# Altium PCB RaspberryPi_ComputeModule3.PcbDoc (continued)
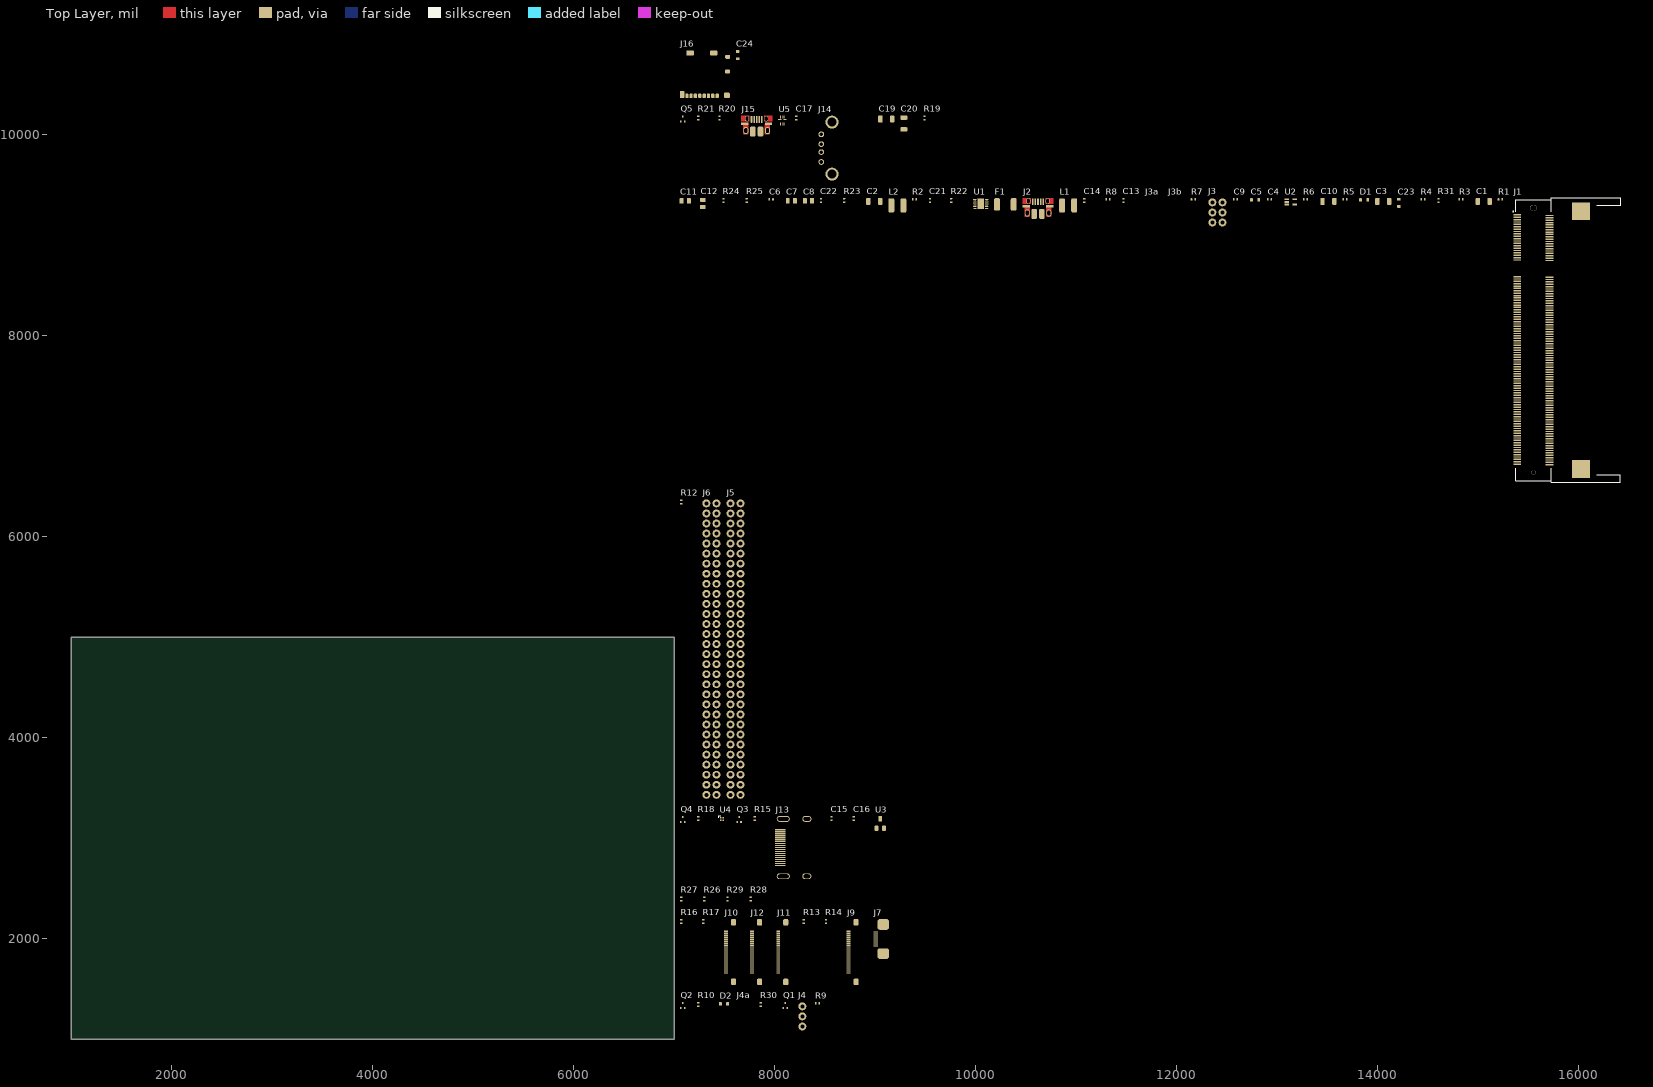
[diagram p0: Top Layer view]
## Part data (continued)
J5 J6: "Headers & Wire Housings 60 MODII HDR DRST B/A .100CL LF", Colour=Black, Contact Current Rating=3A, Flammability Rating="UL94 V-0", High Temperature Housing=Yes, Insulation Resistance=5GR, Manufacturer="TE Connectivity", Max Operating Temperature=105°C, Min Operating Temperature=-65°C, Package Quantity=50, Approvals=CSA, Board Standoff="Yes (With)", ComponentLink1Description=https://datasheet.ciiva.com/734/eng-cd-146256-g-146256-c-dwg-734694.pdf, ComponentLink1URL=https://datasheet.ciiva.com/734/eng-cd-146256-g-146256-c-dwg-734694.pdf, ComponentLink2Description=https://datasheet.ciiva.com/9491/eng-ds-1307819-ampmodu-0811-9491229.pdf, ComponentLink2URL=https://datasheet.ciiva.com/9491/eng-ds-1307819-ampmodu-0811-9491229.pdf, Connector Type=Plug,Pin,Header, Contact Gender=Male, Contact Material=Bronze, Contact Mating Length=0.23inch, Contact Plating=Nickel,Tin,Gold,Matte, Contact Protection="No (Without)", Contact Shape=Square, Depth=4.88mm, ELV=Compliant, Gasket="No (Without)", High Speed Serial Data Connector=No, Housing Colour=Black, Housing Material=Thermoplastic, Keyed=No, Length=75.79mm, Manufacturer Part Number=8-146256-0, Mating Alignment="No (Without)", Mating Connector Lock="No (Without)", Mating Post Length=0.23inch, Mount="Through Hole", Number of Contacts=60, Number of Positions=60, Number of Rows=2, Orientation=Straight, Packaging=Carton, PCB Mounting Orientation=Vertical, PCB Mount Retention=Without, PCB Thickness=0.062inch, Pitch=2.54mm, Pricing 1="1=7.66, 10=7.66, 50=6.28, 100=5.82, 1000=4.97, 10000=4.97 (USD)", Radiation Hardening=No, Row Spacing=2.54mm, Selectively Loaded="No (Without)", Stabilizers="No (Without)", Stock 1=114, Strain Relief="No (Without)", Supplier 1=Mouser, Termination="Through Hole", Termination Post Length=0.12inch
J7: library part 68710814522_N/A, "CONN FPC BOTTOM 8POS 0.50MM R/A", Current Rating=500mA, Flammability Rating="UL94 V-0", Insulation Resistance=100MR, Manufacturer="Wurth Electronics", Manufacturer Part Number=68710814522, Max Operating Temperature=85°C, Min Operating Temperature=-25°C, Package Quantity=2000, Voltage Rating=50V, Actuator Material="Polymer,Liquid Crystal Polymer", ComponentLink1Description=https://datasheet.ciiva.com/670/6871xx14522-670726.pdf, ComponentLink1URL=https://datasheet.ciiva.com/670/6871xx14522-670726.pdf, ComponentLink2Description=https://datasheet.ciiva.com/670/6871xx14522-670727.pdf, ComponentLink2URL=https://datasheet.ciiva.com/670/6871xx14522-670727.pdf, ComponentLink3Description=https://datasheet.ciiva.com/670/6871xx14522-670728.pdf, ComponentLink3URL=https://datasheet.ciiva.com/670/6871xx14522-670728.pdf, ComponentLink4Description=https://datasheet.ciiva.com/14153/6871xx14522-eng-datasheet-14153886.pdf, ComponentLink4URL=https://datasheet.ciiva.com/14153/6871xx14522-eng-datasheet-14153886.pdf, ComponentLink5Description=https://datasheet.ciiva.com/29318/709082-da-01-en-smd-zif-stecker-90grad-kontakte-unten-8-29318044.pdf, ComponentLink5URL=https://datasheet.ciiva.com/29318/709082-da-01-en-smd-zif-stecker-90grad-kontakte-unten-8-29318044.pdf, Contact Location=Bottom, Contact Material=Bronze,Tin, Contact Plating=Tin, Gender=Male, Housing Material="Liquid Crystal Polymer", Length=10.4mm, Mount="Surface Mount", Number of Contacts=8, Number of Positions=8, Number of Rows=1, Orientation=Straight, Packaging="Tape and Reel", Pitch=0.5mm, Pricing 1="1=1.02, 10=0.991, 50=0.923, 100=0.854, 1000=0.718, 10000=0.635 (USD)", REACH SVHC=Unknown, Stock 1=2190, Supplier 1=Mouser, Termination=SMD/SMT, Width=2.1mm
J9 J10 J11 J12: library part 0545482271, "Conn FFC/FPC Connector SKT 22 POS 0.5mm Solder RA SMD Easy-On™ T/R", Contact Resistance=40mR, Current Rating=500mA, Flammability Rating="UL94 V-0", Manufacturer=Molex, Max Operating Temperature=85°C, Min Operating Temperature=-20°C, Package Quantity=1, Voltage Rating=50V, Actuator Material=Polyphenylene, ComponentLink1Description=https://datasheet.ciiva.com/3926/187910545482271-ffc-fpc-nectors-3926715.pdf, ComponentLink1URL=https://datasheet.ciiva.com/3926/187910545482271-ffc-fpc-nectors-3926715.pdf, ComponentLink2Description=https://datasheet.ciiva.com/3112/0545482271-ffc-fpc-connectors-3112285.pdf, ComponentLink2URL=https://datasheet.ciiva.com/3112/0545482271-ffc-fpc-connectors-3112285.pdf, ComponentLink3Description=https://datasheet.ciiva.com/6944/545482671-sd-6944776.pdf, ComponentLink3URL=https://datasheet.ciiva.com/6944/545482671-sd-6944776.pdf, ComponentLink4Description=https://datasheet.ciiva.com/6944/545482671-sd-6944780.pdf, ComponentLink4URL=https://datasheet.ciiva.com/6944/545482671-sd-6944780.pdf, Contact Material=Bronze, Contact Plating=Nickel,Gold, Depth=5mm, Housing Material=Polymer, Length=16.2mm, Manufacturer Part Number=0545482271, Mount="Surface Mount", Number of Contacts=22, Number of Positions=22, Number of Rows=1, Orientation="Right Angle", Packaging="Tape and Reel", Pitch=0.5mm, Pricing 1="1=2.25, 10=1.98, 50=1.98, 100=1.8, 1000=1.31, 10000=1.17 (USD)", Stock 1=2798, Supplier 1=Mouser, Termination=Solder, Wire/Cable Type=Straight
J13: "HDMI, Displayport & DVI Connectors 1.0 HDMI RIGHT ANGLE NGLE HEADER ASSEMBLY", Colour=Black, Current Rating=500mA, Manufacturer=Molex, Package Quantity=1050, Voltage Rating (DC)=40V, Body Material=Thermoplastic, ComponentLink1Description=https://datasheet.ciiva.com/5053/0471511051-io-connectors-170027-5053366.pdf, ComponentLink1URL=https://datasheet.ciiva.com/5053/0471511051-io-connectors-170027-5053366.pdf, Contact Material="Copper Alloy", Contact Plating=Gold, Gender=Female, Halogen Free="Low Halogen", Manufacturer Part Number=47151-1051, Number of Circuits=19, Number of Positions=19, Number of Rows=2, Orientation="Right Angle", Packaging="Tape and Reel", Pricing 1="1=1.48, 10=1.39, 50=1.27, 100=1.15, 1000=0.904, 10000=0.802 (USD)", REACH SVHC="No SVHC", Stock 1=773, Supplier 1=Mouser, Termination=SMD/SMT
J14: "USB - A USB 2.0 Receptacle Connector 4 Position Through Hole, Right Angle, Horizontal", Colour=White, Current Rating=1A, Flammability Rating="UL94 V-0", Insulation Resistance=1GR, Manufacturer="Wurth Electronics", Max Operating Temperature=105°C, Min Operating Temperature=-40°C, Package Quantity=60, Voltage Rating=30V, ComponentLink1Description=https://datasheet.ciiva.com/851/61400416021-851760.pdf, ComponentLink1URL=https://datasheet.ciiva.com/851/61400416021-851760.pdf, ComponentLink2Description=https://datasheet.ciiva.com/1098/1712150-1098928.pdf, ComponentLink2URL=https://datasheet.ciiva.com/1098/1712150-1098928.pdf, ComponentLink3Description=https://datasheet.ciiva.com/4598/61400416021-63715-4598787.pdf, ComponentLink3URL=https://datasheet.ciiva.com/4598/61400416021-63715-4598787.pdf, ComponentLink4Description=https://datasheet.ciiva.com/11731/0900766b81023ab4-11731304.pdf, ComponentLink4URL=https://datasheet.ciiva.com/11731/0900766b81023ab4-11731304.pdf, ComponentLink5Description=https://datasheet.ciiva.com/1100/76585-1100559.pdf, ComponentLink5URL=https://datasheet.ciiva.com/1100/76585-1100559.pdf, ComponentLink6Description=https://datasheet.ciiva.com/14103/4257096-eng-datasheet-14103431.pdf, ComponentLink6URL=https://datasheet.ciiva.com/14103/4257096-eng-datasheet-14103431.pdf, ComponentLink7Description=https://datasheet.ciiva.com/48712/001088207-da-01-en-wr-com-usb-typ-a-61400416021-48712661.pdf, ComponentLink7URL=https://datasheet.ciiva.com/48712/001088207-da-01-en-wr-com-usb-typ-a-61400416021-48712661.pdf, Connector Type=USB,Socket, Contact Material="Copper Alloy", Contact Plating=Gold, Gender=Receptacle, Lead Free="Lead Free", Length=15.8mm, Manufacturer Part Number=61400416021, Mount="Through Hole,Horizontal", Number of Contacts=4, Number of Ports=1, Number of Positions=4, Orientation="Right Angle", Packaging=Tray, Pricing 1="1=0.99, 10=0.874, 50=0.823, 100=0.739, 1000=0.672, 10000=0.672 (USD)", REACH SVHC=Unknown, Stock 1=1100, Supplier 1=Mouser, Termination=Solder, USB Standard="USB 2.0", Width=14.4mm
J16: "CONN MICRO SD CARD PUSH-PULL R/A", Current Rating=500mA, Manufacturer=Molex, Max Operating Temperature=85°C, Min Operating Temperature=-25°C, Package Quantity=1, Voltage Rating (AC)=10V, ComponentLink1Description=https://datasheet.ciiva.com/4581/1040310811-memory-card-socket-153593-4581012.pdf, ComponentLink1URL=https://datasheet.ciiva.com/4581/1040310811-memory-card-socket-153593-4581012.pdf, ComponentLink2Description=https://datasheet.ciiva.com/683/1040310811-sd-683579.pdf, ComponentLink2URL=https://datasheet.ciiva.com/683/1040310811-sd-683579.pdf, ComponentLink3Description=https://datasheet.ciiva.com/16655/1040310811-memory-card-socket-16655292.pdf, ComponentLink3URL=https://datasheet.ciiva.com/16655/1040310811-memory-card-socket-16655292.pdf, ComponentLink4Description=https://datasheet.ciiva.com/15174/getdatasheetpartid-716154-15174887.pdf, ComponentLink4URL=https://datasheet.ciiva.com/15174/getdatasheetpartid-716154-15174887.pdf, ComponentLink5Description=https://datasheet.ciiva.com/683/1040310811-sd-683580.pdf, ComponentLink5URL=https://datasheet.ciiva.com/683/1040310811-sd-683580.pdf, ComponentLink6Description=https://datasheet.ciiva.com/683/1040310811-sd-683581.pdf, ComponentLink6URL=https://datasheet.ciiva.com/683/1040310811-sd-683581.pdf, ComponentLink7Description=https://datasheet.ciiva.com/3121/1040310811-memory-card-socket-3121437.pdf, ComponentLink7URL=https://datasheet.ciiva.com/3121/1040310811-memory-card-socket-3121437.pdf, ComponentLink8Description=https://datasheet.ciiva.com/16496/1040310811-memory-card-socket-16496702.pdf, ComponentLink8URL=https://datasheet.ciiva.com/16496/1040310811-memory-card-socket-16496702.pdf, Connector Type=Connector, Contact Material=Bronze, Contact Plating=Nickel,Gold, Depth=11.4mm, Gender=Female, Halogen Free="Low Halogen", Height=1.42mm, Housing Material=Polymer, Length=11.14mm, Manufacturer Part Number=104031-0811, Mating Cycles=10000, Mount="Surface Mount,Standard", Number of Circuits=8, Number of Contacts=8, Number of Rows=1, Orientation="Right Angle", Packaging="Tape and Reel", Pitch=1.1mm, Pricing 1="1=1.75, 10=1.59, 50=1.59, 100=1.36, 1000=0.97, 10000=0.86 (USD)", Radiation Hardening=No, REACH SVHC=Unknown, Stock 1=13417, Supplier 1=Mouser, Termination=Solder, Width=11.4mm
L1 L2: library part SRN4018-4R7M, "FIXED IND 4.7UH 1.9A 84 MOHM SMD", Case/Package=Nonstandard, Current Rating=1.9A, DC Resistance (DCR)=84mR, Inductance=4.7uh, Inductance Tolerance=20%, Manufacturer=Bourns, Max Operating Temperature=120°C, Min Operating Temperature=-25°C, Package Quantity=3000, Saturation Current=2A, Self Resonant Frequency=35MHz, Test Frequency=100kHz, ComponentLink1Description=https://datasheet.ciiva.com/6700/srn4018-6700960.pdf, ComponentLink1URL=https://datasheet.ciiva.com/6700/srn4018-6700960.pdf, ComponentLink2Description=https://datasheet.ciiva.com/22717/1684089-22717774.pdf, ComponentLink2URL=https://datasheet.ciiva.com/22717/1684089-22717774.pdf, ComponentLink3Description=https://datasheet.ciiva.com/46395/1684089-46395167.pdf, ComponentLink3URL=https://datasheet.ciiva.com/46395/1684089-46395167.pdf, Composition=Wirewound, Core Material=Ferrite, DC Current=1.9A, Depth=4.2mm, Height=1.8mm, Height - Seated (Max)=0.071inch, Length=4mm, Manufacturer Part Number=SRN4018-4R7M, Material=Steel, Max DC Current=1.9A, Military Standard=Not, Mount="Surface Mount", Number of Pins=2, Packaging="Cut Tape", Pricing 1="1=0.36, 10=0.246, 50=0.246, 100=0.224, 1000=0.152, 10000=0.131 (USD)", Radiation Hardening=No, REACH SVHC="No SVHC", RMS Current (Irms)=1.9A, Shielding=Shielded, Stock 1=1984, Supplier 1=Mouser, Termination=SMD/SMT, Tolerance=20%, Width=4mm
Q1 Q2 Q3 Q4 Q5: "MOSFET NCH 20V 630MA SOT523", Case/Package=SOT-523, Continuous Drain Current (ID)=630mA, Drain to Source Voltage (Vdss)=20V, Input Capacitance=60.67pF, Manufacturer=Diodes, Max Operating Temperature=150°C, Max Power Dissipation=280mW, Min Operating Temperature=-55°C, ComponentLink1Description=http://www.mouser.com/ds/2/115/ds31783-892575.pdf, ComponentLink1URL=http://www.mouser.com/ds/2/115/ds31783-892575.pdf, ComponentLink2Description=https://www.diodes.com/assets/Datasheets/ds31783.pdf, ComponentLink2URL=https://www.diodes.com/assets/Datasheets/ds31783.pdf, Manufacturer Part Number=DMG1012TQ-7, Mount="Surface Mount", Number of Pins=3, Packaging="Tape and Reel", Pricing 1="1=0.34, 10=0.225, 50=0.225, 100=0.094, 1000=0.064, 10000=0.043 (USD)", Rds On Max=400mR, Stock 1=11314, Supplier 1=Mouser
R1 R4 R5 R6 R7 R8 R19 R31: library part AC0805FR-070RL, "Thick Film Resistors - SMD 1/8W 0.0ohm 1%", Case/Package=0805, Case Code (Metric)=2012, Manufacturer=Yageo, Max Operating Temperature=155°C, Min Operating Temperature=-55°C, Power Rating=125mW, Resistance=0mR, Temperature Coefficient=200ppm/°C, Tolerance=1%, Voltage Rating=150V, Case Code (Imperial)=0805, ComponentLink1Description=https://datasheet.ciiva.com/12656/pyu-ac-51-rohs-l-2-12656890.pdf, ComponentLink1URL=https://datasheet.ciiva.com/12656/pyu-ac-51-rohs-l-2-12656890.pdf, Lead Free="Lead Free", Manufacturer Part Number=AC0805FR-070RL, Mount="Surface Mount", Packaging="Tape and Reel", Pricing 1="1=0.16, 10=0.036, 50=0.036, 100=0.012, 1000=0.009, 10000=0.004 (USD)", Stock 1=1027, Supplier 1=Mouser, Termination=SMD/SMT
R2 R10 R18 R26 R27 R28 R29: library part SG73P1ETTP1003F, "Thick Film Resistors - SMD 0.125W 100Kohm 1% 200ppm", Case/Package=0402, Case Code (Metric)=1005, Manufacturer="KOA Speer", Max Operating Temperature=155°C, Min Operating Temperature=-55°C, Power Rating=125mW, Resistance=100kR, Temperature Coefficient=200ppm/°C, Tolerance=1%, Voltage Rating=200V, Voltage Rating (DC)=50V, Case Code (Imperial)=0402, ComponentLink1Description=https://datasheet.ciiva.com/5567/sg73-5567782.pdf, ComponentLink1URL=https://datasheet.ciiva.com/5567/sg73-5567782.pdf, Manufacturer Part Number=SG73P1ETTP1003F, Packaging="Tape and Reel", Pricing 1="1=0.24, 10=0.24, 50=0.053, 100=0.041, 1000=0.03, 10000=0.018 (USD)", Stock 1=17094, Supplier 1=Mouser, Termination=SMD/SMT
R3 R9: library part MCS04020C4700FE000, "RES SMD 470 OHM 1% 1/10W 0402", Case/Package=0402, Manufacturer="Vishay BCcomponents", Max Operating Temperature=125°C, Max Power Dissipation=100mW, Min Operating Temperature=-55°C, Package Quantity=10000, Temperature Coefficient=50ppm/°C, Tolerance=1%, ComponentLink1Description=https://datasheet.ciiva.com/16892/mc-pro-16892843.pdf, ComponentLink1URL=https://datasheet.ciiva.com/16892/mc-pro-16892843.pdf, ComponentLink2Description=https://datasheet.ciiva.com/2569/mc-pro-2569740.pdf, ComponentLink2URL=https://datasheet.ciiva.com/2569/mc-pro-2569740.pdf, ComponentLink3Description=https://datasheet.ciiva.com/8901/mc-pro-8901326.pdf, ComponentLink3URL=https://datasheet.ciiva.com/8901/mc-pro-8901326.pdf, Composition="Thin Film", Contact Plating=Tin, Depth=0.5mm, Height=0.015inch, Lead Free="Lead Free", Length=0.039inch, Manufacturer Part Number=MCS04020C4700FE000, Military Standard=Not, Number of Terminations=2, Packaging="Tape and Reel", Pricing 1="1=0.3, 10=0.254, 100=0.0993, 1000=0.04158, 2500=0.03812, 5000=0.03465 (USD)", Radiation Hardening=No, Resistance=470R, Stock 1=98990, Supplier 1=Digi-Key, Width=0.02inch
R12: library part RK73H1FTTBL1001F, "Thick Film Resistors - SMD 1/3W 1K OHM 1%", Case Code - in=01005, Case Code - mm=0402, Manufacturer="KOA Speer", Maximum Operating Temperature="+ 125 C", Minimum Operating Temperature="- 55 C", Operating Temperature Range="- 55 C to + 125 C", Package / Case="01005 (0402 metric)", Power Rating="30 mW", Resistance="1 kOhms", Temperature Coefficient="250 PPM / C", Tolerance="1 %", Voltage Rating="15 V", Brand="KOA Speer", Category="Thick Film Resistors - SMD", ComponentLink1Description=http://www.mouser.com/ds/2/219/RK73H-5715.pdf, ComponentLink1URL=http://www.mouser.com/ds/2/219/RK73H-5715.pdf, Height="0.13 mm", Length="0.4 mm", Manufacturer Part Number=RK73H1FTTBL1001F, Minimum Order Quantity=1, Packaging="Cut Tape", Pricing 1="1=0.641, 10=0.346, 100=0.196, 1000=0.130, 20000=0.123, 40000=0.101 (USD)", Product="Thick Film Resistors SMD", Qualification=AEC-Q200, Reeling=True, RoHS="RoHS Compliant By Exemption", RoHS - Mouser=E, Series=RK73H, Standard Pack Qty=20000, Stock 1=6349, Supplier 1=Mouser, Termination Style=SMD/SMT, Type="Precision Resistor", Width="0.2 mm"
R13 R14 R16 R17: library part RK73H1ETTP1801F, "Thick Film Resistors - SMD 1.8K OHM 1%", Case/Package=0402, Case Code (Metric)=1005, Manufacturer="KOA Speer", Max Operating Temperature=155°C, Min Operating Temperature=-55°C, Package Quantity=10000, Power Rating=63mW, Resistance=1.8kR, Temperature Coefficient=100ppm/°C, Tolerance=1%, Voltage Rating=50V, Case Code (Imperial)=0402, ComponentLink1Description=https://datasheet.ciiva.com/5553/rk73h-5715-5553193.pdf, ComponentLink1URL=https://datasheet.ciiva.com/5553/rk73h-5715-5553193.pdf, Composition="Thick Film", Depth=0.5mm, Height=0.35mm, Lead Free="Lead Free", Length=1mm, Manufacturer Part Number=RK73H1ETTP1801F, Military Standard=Not, Packaging="Tape and Reel", Pricing 1="1=0.11, 10=0.027, 50=0.027, 100=0.007, 1000=0.005, 10000=0.004 (USD)", Stock 1=3595, Supplier 1=Mouser, Termination=SMD/SMT, Width=0.5mm
R15 R24 R25: library part Resistor_N/A
R20 R21 R30: library part MCS04020C4702FE000, "Res Thin Film 0402 47K Ohm 1% 1/16W ±50ppm/C Molded SMD Paper T/R", Case/Package=0402, Case Code (Metric)=1005, Manufacturer="Vishay BCcomponents", Max Operating Temperature=125°C, Min Operating Temperature=-55°C, Power Rating=100mW, Resistance=47kR, Temperature Coefficient=50ppm/°C, Tolerance=1%, Voltage Rating=50V, Case Code (Imperial)=0402, ComponentLink1Description=https://datasheet.ciiva.com/17178/mc-pro-17178488.pdf, ComponentLink1URL=https://datasheet.ciiva.com/17178/mc-pro-17178488.pdf, ComponentLink2Description=https://datasheet.ciiva.com/8900/mc-pro-8900138.pdf, ComponentLink2URL=https://datasheet.ciiva.com/8900/mc-pro-8900138.pdf, Composition="Thin Film", Contact Plating=Tin, Depth=0.5mm, Lead Free="Lead Free", Length=1mm, Manufacturer Part Number=MCS04020C4702FE000, Military Standard=Not, Packaging="Tape and Reel", Pricing 1="1=0.11, 10=0.11, 50=0.076, 100=0.065, 1000=0.054, 10000=0.04 (USD)", Radiation Hardening=No, REACH SVHC="No SVHC", Stock 1=7724, Supplier 1=Mouser, Voltage Rating (DC)=50V, Width=500um
R22 R23: library part MCS04020Z0000ZE000, "Res Thin Film 0402 0 Ohm Molded SMD Automotive Medical Paper T/R", Case/Package=0402, Case Code (Metric)=1005, Manufacturer="Vishay Beyschlag", Max Operating Temperature=125°C, Max Power Dissipation=100mW, Min Operating Temperature=-55°C, Package Quantity=1, Resistance=0mR, Voltage Rating=50V, Case Code (Imperial)=0402, ComponentLink1Description=https://datasheet.ciiva.com/2472/mc-pro-2472006.pdf, ComponentLink1URL=https://datasheet.ciiva.com/2472/mc-pro-2472006.pdf, ComponentLink2Description=https://datasheet.ciiva.com/8901/mc-pro-8901830.pdf, ComponentLink2URL=https://datasheet.ciiva.com/8901/mc-pro-8901830.pdf, ComponentLink3Description=https://datasheet.ciiva.com/2472/mc-pro-2472007.pdf, ComponentLink3URL=https://datasheet.ciiva.com/2472/mc-pro-2472007.pdf, ComponentLink4Description=https://datasheet.ciiva.com/2472/mc-pro-2472008.pdf, ComponentLink4URL=https://datasheet.ciiva.com/2472/mc-pro-2472008.pdf, Composition="Thin Film", Contact Plating=Nickel,Tin, Depth=0.5mm, Height=0.015inch, Lead Free="Lead Free", Length=1mm, Manufacturer Part Number=MCS04020Z0000ZE000, Military Standard=Not, Mount="Surface Mount", Number of Terminations=2, Packaging="Tape and Reel", Power Rating=100mW, Pricing 1="1=0.31, 10=0.266, 25=0.1936, 50=0.1404, 100=0.1041, 250=0.07988, 500=0.06292, 1000=0.04356, 5000=0.0363 (USD)", Radiation Hardening=No, REACH SVHC="No SVHC", Stock 1=192140, Supplier 1=Digi-Key, Termination=Wraparound, Voltage Rating (DC)=50V, Width=0.02inch
U1: "Conv DC-DC Dual Step Down 2.5V 5.5V 12-Pin WDFN T/R", Manufacturer=Diodes, Max Input Voltage=5.5V, Max Operating Temperature=85°C, Max Output Current=1A, Min Input Voltage=2.5V, Min Operating Temperature=-40°C, Min Output Voltage=3.3V, Operating Supply Current=40uA, Package Quantity=3000, Switching Frequency=1.5MHz, ComponentLink1Description=http://www.diodes.com/datasheets/PAM2306.pdf, ComponentLink1URL=http://www.diodes.com/datasheets/PAM2306.pdf, ComponentLink2Description=http://www.mouser.com/ds/2/115/PAM2306-336770.pdf, ComponentLink2URL=http://www.mouser.com/ds/2/115/PAM2306-336770.pdf, ComponentLink3Description=https://www.diodes.com/assets/Datasheets/PAM2306.pdf, ComponentLink3URL=https://www.diodes.com/assets/Datasheets/PAM2306.pdf, Efficiency=96%, Lead Free="Lead Free", Manufacturer Part Number=PAM2306AYPKE, Min Supply Voltage=2.5V, Mount="Surface Mount", Number of Outputs=2, Number of Pins=12, Operating Supply Voltage=5.5V, Output Current=1A, Output Voltage=3.3V, Packaging="Tape and Reel", Pricing 1="1=0.71, 10=0.589, 50=0.589, 100=0.38, 1000=0.304, 10000=0.248 (USD)", Radiation Hardening=No, Stock 1=11874, Supplier 1=Mouser, Synchronous Rectifier=Yes
U2: library part AP7115-25SEG-7, "IC REG LDO 2.5V 0.15A SOT353", Case/Package=SOT-353-5, Dropout Voltage=200mV, Input Bias Current=80uA, Manufacturer=Diodes, Max Input Voltage=5.5V, Max Operating Temperature=85°C, Max Output Current=150mA, Max Power Dissipation=500mW, Min Current Limit=200mA, Min Input Voltage=2.5V, Min Operating Temperature=-40°C, Package Quantity=1, Power Supply Rejection Ratio (PSRR)=70dB, Accuracy=2%, ComponentLink1Description=https://datasheet.ciiva.com/2039/ap7115-2039392.pdf, ComponentLink1URL=https://datasheet.ciiva.com/2039/ap7115-2039392.pdf, ComponentLink2Description=https://datasheet.ciiva.com/26949/getdatasheetpartid-671041-26949332.pdf, ComponentLink2URL=https://datasheet.ciiva.com/26949/getdatasheetpartid-671041-26949332.pdf, ComponentLink3Description=https://datasheet.ciiva.com/17365/ap7115-17365815.pdf, ComponentLink3URL=https://datasheet.ciiva.com/17365/ap7115-17365815.pdf, Contact Plating=Tin,Matte, Height=1.1mm, Length=3mm, Manufacturer Part Number=AP7115-25SEG-7, Mount="Surface Mount", Number of Outputs=1, Number of Pins=5, Number of Regulators=1, Output Current=150mA, Output Voltage=2.5V, Packaging="Tape and Reel", Polarity=Positive, Power Rating=500mW, Pricing 1="1=0.38, 10=0.288, 50=0.288, 100=0.156, 1000=0.117, 10000=0.095 (USD)", Quiescent Current=80uA, Stock 1=5001, Supplier 1=Mouser, Width=1.6mm
U3: "LOAD SWITCH SC59", Case/Package=TO-236-3, Current=200mA, Manufacturer=Diodes, Max Operating Temperature=85°C, Max Supply Voltage=5.2V, Min Operating Temperature=-40°C, Min Supply Voltage=2.7V, On-State Resistance=350mR, Package Quantity=3000, ComponentLink1Description=https://datasheet.ciiva.com/18567/ap2331-18567928.pdf, ComponentLink1URL=https://datasheet.ciiva.com/18567/ap2331-18567928.pdf, ComponentLink2Description=https://datasheet.ciiva.com/18567/ap2331-18567929.pdf, ComponentLink2URL=https://datasheet.ciiva.com/18567/ap2331-18567929.pdf, ComponentLink3Description=https://datasheet.ciiva.com/18567/ap2331-18567930.pdf, ComponentLink3URL=https://datasheet.ciiva.com/18567/ap2331-18567930.pdf, Fault Protection="Over Temperature,Reverse Current", Height=1.3mm, Interface=On/Off, Length=3.1mm, Manufacturer Part Number=AP2331W-7, Max Output Current=200mA, Mount="Surface Mount", Number of Outputs=1, Number of Pins=59, Output Current=200mA, Packaging="Tape and Reel", Pricing 1="1=0.51, 10=0.388, 50=0.388, 100=0.21, 1000=0.158, 10000=0.127 (USD)", Radiation Hardening=No, REACH SVHC="No SVHC", Stock 1=6726, Supplier 1=Mouser, Turn-On Delay Time=700us, Voltage=5.2V, Width=1.7mm
U4: "TVS DIODE 3VWM 9WLCSP", Capacitance=29pF, Manufacturer="ON Semiconductor", Max Operating Temperature=85°C, Max Reverse Leakage Current=200nA, Min Breakdown Voltage=6V, Min Operating Temperature=-30°C, Package Quantity=5000, Power Line Protection=No, Reverse Standoff Voltage=3V, ComponentLink1Description=https://datasheet.ciiva.com/11195/esd5384-d-11195286.pdf, ComponentLink1URL=https://datasheet.ciiva.com/11195/esd5384-d-11195286.pdf, ComponentLink2Description=https://datasheet.ciiva.com/12545/esd5384-d-119513-12545067.pdf, ComponentLink2URL=https://datasheet.ciiva.com/12545/esd5384-d-119513-12545067.pdf, ComponentLink3Description=https://datasheet.ciiva.com/354/esd5384-d-354168.pdf, ComponentLink3URL=https://datasheet.ciiva.com/354/esd5384-d-354168.pdf, Depth=1.14mm, Direction=Unidirectional, ESD Protection=Yes, Halogen Free="Halogen Free", Height=0.63mm, Lead Free="Lead Free", Length=1.14mm, Manufacturer Part Number=ESD5384NCTBG, Number of Lines=5, Number of Pins=9, Number of Unidirectional Channels=5, Packaging="Tape and Reel", Pricing 1="1=0.44, 10=0.362, 50=0.362, 100=0.221, 1000=0.171, 10000=0.136 (USD)", Radiation Hardening=No, Stock 1=9540, Supplier 1=Mouser, Width=1.14mm
U5: "Analog Switch Single DPDT 10-Pin UMLP EP T/R", Manufacturer="ON Semiconductor / Fairchild", Max Operating Temperature=85°C, Max Supply Voltage=4.3V, Min Operating Temperature=-40°C, Min Supply Voltage=3V, Nominal Supply Current=1uA, On-State Resistance=6.5R, Output Current=100mA, Package Quantity=1, Bandwidth=720MHz, ComponentLink1Description=https://datasheet.ciiva.com/15108/getdatasheetpartid-189033-15108996.pdf, ComponentLink1URL=https://datasheet.ciiva.com/15108/getdatasheetpartid-189033-15108996.pdf, ComponentLink2Description=https://datasheet.ciiva.com/1504/1815547-1504946.pdf, ComponentLink2URL=https://datasheet.ciiva.com/1504/1815547-1504946.pdf, ComponentLink3Description=https://datasheet.ciiva.com/26074/fsusb42-26074741.pdf, ComponentLink3URL=https://datasheet.ciiva.com/26074/fsusb42-26074741.pdf, ComponentLink4Description=https://datasheet.ciiva.com/1561/fsusb42-1561415.pdf, ComponentLink4URL=https://datasheet.ciiva.com/1561/fsusb42-1561415.pdf, ComponentLink5Description=https://datasheet.ciiva.com/3233/fsusb42-3233259.pdf, ComponentLink5URL=https://datasheet.ciiva.com/3233/fsusb42-3233259.pdf, ComponentLink6Description=https://datasheet.ciiva.com/6638/fsusb42-6638604.pdf, ComponentLink6URL=https://datasheet.ciiva.com/6638/fsusb42-6638604.pdf, ComponentLink7Description=https://datasheet.ciiva.com/6638/fsusb42-6638607.pdf, ComponentLink7URL=https://datasheet.ciiva.com/6638/fsusb42-6638607.pdf, Data Rate=480Mbps, Height=0.5mm, Lead Free="Lead Free", Length=1.4mm, Manufacturer Part Number=FSUSB42UMX, Mount="Surface Mount", Number of Channels=1, Number of Inputs=2, Number of Outputs=2, Number of Pins=10, Number of Ports=2, Operating Supply Voltage=4.3V, Packaging="Tape and Reel", Pricing 1="1=0.57, 10=0.47, 50=0.47, 100=0.287, 1000=0.222, 10000=0.176 (USD)", Propagation Delay=0.25ns, Radiation Hardening=No, REACH SVHC="No SVHC", Stock 1=18559, Supplier 1=Mouser, Supply Type=Single, Termination=SMD/SMT, Throw Configuration=DPDT, Turn-Off Delay Time=25ns, Turn-On Delay Time=30ns, Weight=18.08g, Width=1.8mm

## Nets (pads, with @x,y where several pads share a name; then routed paths per layer and width w, separated by ;. In a path a pad name is that pad's centre, name@x,y a point inside that pad or via, vN(x,y) a via of type N, cw(c..) or ccw(c..) an arc to the next point about the centre after c; other vN are vias at no path point)
1V8: C12.1 C22.2 J3.5 J3.6 J5.12 J5.24 J5.36 J5.48 J6.12 J6.24 J6.36 J6.48 L2.2 R5.2 R10.1 R18.1 R23.1
3V3: C4.1 C11.1 C17.1 C21.2 C24.2 J3.1 J3.2 J5.8 J5.20 J5.32 J5.44 J6.8 J6.20 J6.32 J6.44 J9.22 J10.22 J11.22 J12.22 J16.4 L1.2 R3.1 R4.2 R9.1 R13.1 R14.1 R15.1 R16.1 R17.1 R20.2 R22.1 R31.1 U2.1 U2.3 U5.9
5V: C2.2 C7.1 C8.1 C15.2 F1.2 J5.4 J5.56 J6.4 J6.56 R1.2 R2.1 R19.1 U1.1 U1.6 U1.7 U3.IN
CAM0_CN: J1.144 J9.8
CAM0_CP: J1.142 J9.9
CAM0_DN0: J1.138 J9.2
CAM0_DN1: J1.150 J9.5
CAM0_DP0: J1.136 J9.3
CAM0_DP1: J1.148 J9.6
CAM0_IO0: J6.51 J9.17
CAM0_IO1: J6.49 J9.18
CAM1_CN: J1.149 J11.8
CAM1_CP: J1.147 J11.9
CAM1_DN0: J1.161 J11.2
CAM1_DN1: J1.155 J11.5
CAM1_DN2: J1.143 J11.11
CAM1_DN3: J1.137 J11.14
CAM1_DP0: J1.159 J11.3
CAM1_DP1: J1.153 J11.6
CAM1_DP2: J1.141 J11.12
CAM1_DP3: J1.135 J11.15
CAM1_IO0: J6.43 J11.17
CAM1_IO1: J6.41 J11.18
CD0_SCL: J6.47 J9.20 J10.20 R13.2
CD0_SDA: J6.45 J9.21 J10.21 R14.2
CD1_SCL: J6.39 J11.20 J12.20 R16.2
CD1_SDA: J6.37 J11.21 J12.21 R17.2
CEC: J13.13 Q3.D U4.A2
CM_1V8: C10.2 J1.183 J1.184 J1.185 J1.186 R5.1
CM_3V3: C3.2 J1.191 J1.192 J1.193 J1.194 R4.1
CM_BAT: J1.197 J1.198 J1.199 J1.200
CM_VBAT: C1.2 R1.1
CM_VDAC: J1.189 J1.190 R6.1
DAC_2V5: C5.2 R6.2 U2.5
DSI0_CN: J1.105 J10.8
DSI0_CP: J1.107 J10.9
DSI0_DN0: J1.99 J10.2
DSI0_DN1: J1.93 J10.5
DSI0_DP0: J1.101 J10.3
DSI0_DP1: J1.95 J10.6
DSI1_CN: J1.102 J12.8
DSI1_CP: J1.100 J12.9
DSI1_DN0: J1.96 J12.2
DSI1_DN1: J1.120 J12.5
DSI1_DN2: J1.114 J12.11
DSI1_DN3: J1.108 J12.14
DSI1_DP0: J1.94 J12.3
DSI1_DP1: J1.118 J12.6
DSI1_DP2: J1.112 J12.12
DSI1_DP3: J1.106 J12.15
EMMC_DISABLE_N: J1.2 Q1.D
EMMC_EN_N_1V8: J1.90 Q2.G R10.2
GND: C1.1 C2.1 C3.1 C4.2 C5.1 C6.1 C7.2 C8.2 C9.1 C10.1 C11.2 C12.2 C13.2 C14.2 C15.1 C16.1 C17.2 C19.1 C20.1 C23.1 C24.1 D1.C J1.1 J1.7 J1.8 J1.13 J1.14 J1.19 J1.20 J1.25 J1.26 J1.31 J1.32 J1.37 J1.38 J1.43 J1.44 J1.49 J1.50 J1.55 J1.56 J1.61 J1.62 J1.67 J1.68 J1.73 J1.74 J1.79 J1.80 J1.85 J1.86 J1.91 J1.92 J1.97 J1.98 J1.103 J1.104 J1.109 J1.110 J1.115 J1.116 J1.121 J1.122 J1.127 J1.133 J1.134 J1.139 J1.140 J1.145 J1.146 J1.151 J1.152 J1.157 J1.163 J1.164 J1.169 J1.170 J1.181 J1.182 J1.187 J1.188 J1.195 J1.196 J1.G1 J1.G2 J1.G3 J1.G4 J2.5 J2.6 J2.7 J2.8 J2.9 J2.10 J2.11 J4.1 J5.2 J5.6 J5.10 J5.14 J5.18 J5.22 J5.26 J5.30 J5.34 J5.38 J5.42 J5.46 J5.50 J5.54 J5.58 J5.60 J6.2 J6.6 J6.10 J6.14 J6.18 J6.22 J6.26 J6.30 J6.34 J6.38 J6.42 J6.46 J6.50 J6.54 J6.57 J6.58 J6.60 J7.4 J7.7 J7.9 J7.10 J9.1 J9.4 J9.7 J9.10 J9.13 J9.16 J9.19 J9.G1 J9.G2 J10.1 J10.4 J10.7 J10.10 J10.13 J10.16 J10.19 J10.G1 J10.G2 J11.1 J11.4 J11.7 J11.10 J11.13 J11.16 J11.19 J11.G1 J11.G2 J12.1 J12.4 J12.7 J12.10 J12.13 J12.16 J12.19 J12.G1 J12.G2 J13.2 J13.5 J13.8 J13.11 J13.17 J13.20 J13.21 J13.22 J13.23 J14.4 J14.SHELL J14.SHELL2 J15.1 J15.6 J15.7 J15.8 J15.9 J15.10 J15.11 J16.6 J16.11 J16.12 J16.13 J16.14 Q2.S Q4.S Q5.S R12.2 R21.2 R24.2 R25.2 R26.2 R27.2 R28.2 R29.2 R30.2 U1.3 U1.9 U1.13 U2.2 U3.GND U4.B2 U4.C2 U5.3 U5.8
GPIO0: J1.3 J5.1
GPIO0-27_VREF: C13.1 J1.39 J1.40 R7.2
GPIO1: J1.5 J5.3
GPIO2: J1.9 J5.5
GPIO3: J1.11 J5.7
GPIO4: J1.15 J5.9
GPIO5: J1.17 J5.11
GPIO6: J1.21 J5.13
GPIO7: J1.23 J5.15
GPIO8: J1.27 J5.17
GPIO9: J1.29 J5.19
GPIO10: J1.33 J5.21
GPIO11: J1.35 J5.23
GPIO12: J1.45 J5.25
GPIO13: J1.47 J5.27
GPIO14: J1.51 J5.29
GPIO15: J1.53 J5.31
GPIO16: J1.57 J5.33
GPIO17: J1.59 J5.35
GPIO18: J1.63 J5.37
GPIO19: J1.65 J5.39
GPIO20: J1.69 J5.41
GPIO21: J1.71 J5.43
GPIO22: J1.75 J5.45
GPIO23: J1.77 J5.47
GPIO24: J1.81 J5.49
GPIO25: J1.83 J5.51
GPIO26: J1.87 J5.53
GPIO27: J1.89 J5.55
GPIO28: J1.28 J6.1 R27.1
GPIO28-45_VREF: C14.1 J1.41 J1.42 R8.2
GPIO29: J1.30 J6.3 R26.1
GPIO30: J1.34 J6.5
GPIO31: J1.36 J6.7
GPIO32: J1.46 J6.9
GPIO33: J1.48 J6.11
GPIO34: J1.52 J6.13
GPIO35: J1.54 J6.15
GPIO36: J1.58 J6.17
GPIO37: J1.60 J6.19
GPIO38: J1.64 J6.21
GPIO39: J1.66 J6.23
GPIO40: J1.70 J6.25
GPIO41: J1.72 J6.27
GPIO42: J1.76 J6.29
GPIO43: J1.78 J6.31
GPIO44: J1.82 J6.33 R29.1
GPIO45: J1.84 J6.35 R28.1
H5V: C16.2 J13.18 Q3.G U3.OUT U4.A1 U4.C1
HDMI_CEC: J1.171 Q3.S R15.2
HDMI_CK_N: J1.111 J13.12
HDMI_CK_P: J1.113 J13.10
HDMI_D0_N: J1.117 J13.9
HDMI_D0_P: J1.119 J13.7
HDMI_D1_N: J1.123 J13.6
HDMI_D1_P: J1.125 J13.4
HDMI_D2_N: J1.129 J13.3
HDMI_D2_P: J1.131 J13.1
HDMI_HPD: J13.19 Q4.G U4.C3
HDMI_HPD_N_1V8: J1.88 Q4.D R18.2
HDMI_SCL: J1.175 J13.15 U4.A3
HDMI_SDA: J1.173 J13.16 U4.B3
NetC6_2: C6.2 R2.2 U1.12
NetC9_2: C9.2 U2.4
NetC21_1: C21.1 R22.2 R25.1 U1.4
NetC22_1: C22.1 R23.2 R24.1 U1.10
NetD1_A: D1.A R3.2
NetD2_A: D2.A R9.2
NetD2_C: D2.C Q1.S Q2.D
NetF1_1: F1.1 J2.1
NetJ4_2: J4.2 Q1.G R30.1
NetL1_1: L1.1 U1.8
NetL2_1: L2.1 U1.2
NetQ5_D: Q5.D R20.1 U5.10
RUN: J1.177 J5.57 J7.1
SDX_CLK: J1.10 J16.5
SDX_CMD: J1.12 J16.3
SDX_D0: J1.16 J16.7
SDX_D1: J1.18 J16.8
SDX_D2: J1.22 J16.1
SDX_D3: J1.24 J16.2
SDX_VREF: C23.2 J1.4 J1.6 R31.2
TVDAC: J1.166 J6.59
USB_DM: J1.167 U5.2
USB_DP: J1.165 U5.1
USB_OTGID: J1.168 J6.55 R12.1
USBA_DM: J14.2 U5.6
USBA_DP: J14.3 U5.7
USBB_DM: J15.4 U5.4
USBB_DP: J15.3 U5.5
VBUSA: C19.2 C20.2 J14.1 R19.2
VBUSB: J4.3 J15.5 Q5.G R21.1
VC_TCK: J1.180 J7.8
VC_TDI: J1.174 J7.3
VC_TDO: J1.178 J7.5
VC_TMS: J1.176 J7.6
VC_TRST_N: J1.172 J7.2
VDD_CORE: J1.179 J6.53
VG0: J3.3 J5.16 J5.28 J5.40 J5.52 R7.1
VG1: J3.4 J6.16 J6.28 J6.40 J6.52 R8.1
pads on no net: J1.124 J1.126 J1.128 J1.130 J1.132 J1.154 J1.156 J1.158 J1.160 J1.162 J2.2 J2.3 J2.4 J5.59 J9.11 J9.12 J9.14 J9.15 J10.11 J10.12 J10.14 J10.15 J10.17 J10.18 J12.17 J12.18 J13.14 J15.2 J16.9 J16.10 U1.5 U1.11 U4.B1

## Text inside footprints (layer, text, board x,y; h text height)
J13: Mechanical 13 "Board Edge" at 8447.6,2802.24 h19.68 r90
J14: Mechanical 13 "BOARD EDGE" at 8967.64,9770.51 h19.68 r90